# Altium PCB RTM_4SFP_3QSFP.PcbDoc (part 2 of 4) (continued)
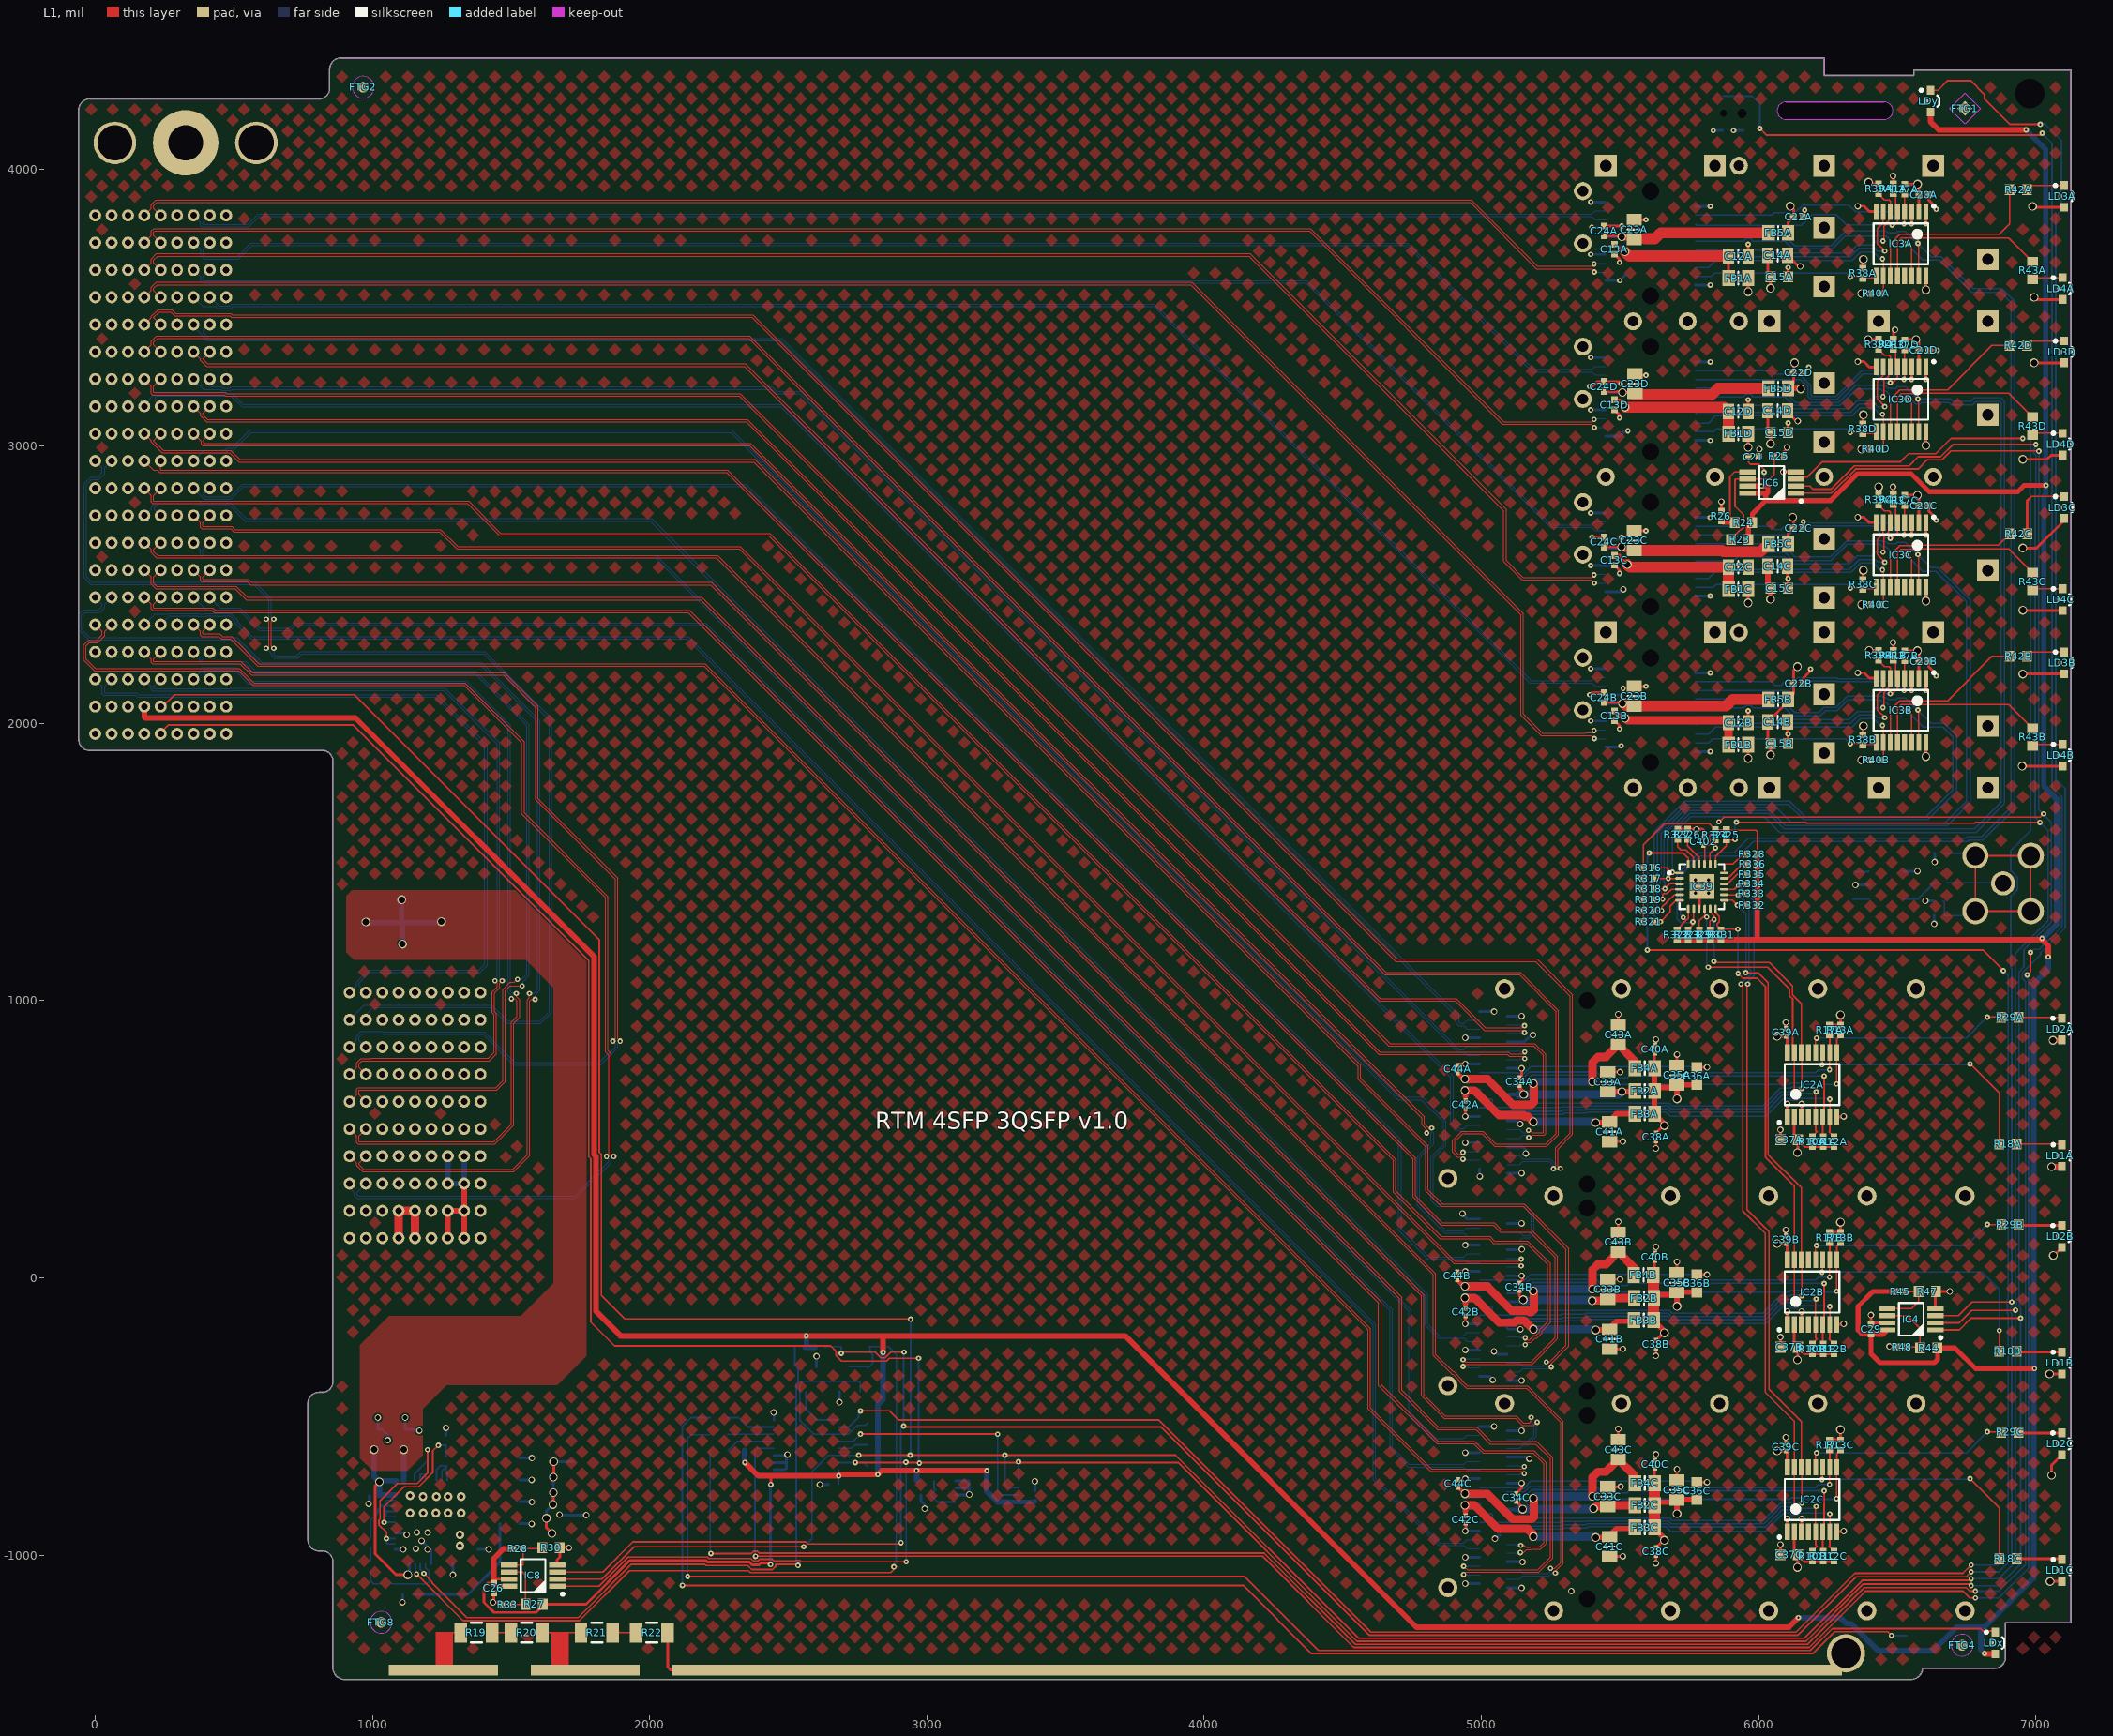
[diagram p0: L1 view]
## Nets (pads, with @x,y where several pads share a name; then routed paths per layer and width w, separated by ;. In a path a pad name is that pad's centre, name@x,y a point inside that pad or via, vN(x,y) a via of type N, cw(c..) or ccw(c..) an arc to the next point about the centre after c; other vN are vias at no path point) (continued)
  L4 w10: v2(985.86,-814.35) 989.8,-810.42 C8.1@989.8,-784.58 ; v2(1019.33,-504.04) C6.1@1019.33,-546.39 1033.11,-546.39 1054.76,-568.04 ; v2(1054.76,-585.76) 1054.76,-568.04 ; 1060.33,-573.61 1054.76,-568.04 ; IC1.42@1081.32,-979.46 v2(1110.89,-979.46) ; IC1.45@1081.32,-920.41 1117.59,-920.41 v2(1123.66,-926.56) v2(1123.66,-926.56) ; v2(1108.1,-1169.67) 1109.88,-1167.88 R3.1@1109.88,-1141.66 ; v2(1117.84,-504.04) C7.1@1117.84,-546.39 1164.92,-546.39 v2(1169.02,-550.49) ; IC1.53@1177.28,-947.96 1211.24,-981.92 IC1.35@1211.24,-1030.64 ; C11.1@1265.59,-568.04 v2(1265.59,-540.73) ; v2(1289.99,-1071.05) IC1.31@1289.98,-1030.64 ; IC1.26@1380.54,-979.46 v2(1418.94,-979.46) ; C1.1@1531.14,-885.96 1572.73,-885.96 v2(1573.96,-887.19) ; C4.1@1531.14,-807.22 1573.96,-807.22 v2(1575.19,-808.45) ; C3.1@1531.14,-728.48 v2(1574.2,-728.48) ; C2.1@1531.14,-649.74 v2(1575.19,-649.74) ; v2(1674.84,-854.09) 1676.2,-855.45 C5.2@1726.02,-855.45 v2(1771.3,-855.45) ; v2(2447,-485) 2448.28,-486.28 IC14.8@2448.28,-512.35 ; IC14.1@2448.28,-691.49 2487.6,-691.49 2493.69,-685.4 2493.69,-663.31 ; IC14.2@2448.28,-665.9 2491.1,-665.9 2493.69,-663.31 ; IC14.3@2448.28,-640.31 2493.69,-640.31 2493.69,-663.31 ; T2.2@2601.82,-320.42 2601.82,-293.01 v2(2601.82,-282.94) ; v2(2614,-745) 2643.78,-745 C27.2@2645.13,-743.65 ; v2(2684.5,-448.46) 2684.5,-438.39 T1.2@2684.5,-410.98 ; R75.1@2978.18,-782.63 2978.18,-804.73 2992.19,-818.74 v2(2992.19,-832.36) ; IC10.2@3103.05,-782.63 3151.62,-782.63 3151.62,-762.62 ; IC10.3@3103.05,-757.04 3146.04,-757.04 3151.62,-762.62 ; IC10.4@3103.05,-731.45 3149.45,-731.45 3151.62,-733.62 3151.62,-762.62 ; v2(3389,-734) 3390,-735 C25.2@3390,-769.28 ; v2(4931.9,231.85) 4931.9,229.25 4948.55,212.6 J5B.38@4993.9,212.6 ; v2(4941.66,-1102.36) 4951.73,-1102.36 J5C.20@4993.9,-1102.36 ; v2(4941.66,-1007.87) J5C.23@4993.9,-1007.87 ; v2(4941.66,-913.39) 4951.73,-913.39 J5C.26@4993.9,-913.39 ; v2(4941.66,-724.41) 4951.73,-724.41 J5C.32@4993.9,-724.41 ; v2(4941.66,-629.92) J5C.35@4993.9,-629.92 ; v2(4941.66,-259.84) J5B.23@4993.9,-259.84 ; v2(4941.66,-165.35) 4951.73,-165.35 J5B.26@4993.9,-165.35 ; v2(4941.66,23.62) 4951.73,23.62 J5B.32@4993.9,23.62 ; v2(4941.66,118.11) J5B.35@4993.9,118.11 ; v2(4941.66,488.19) J5A.23@4993.9,488.19 ; v2(4941.66,582.68) 4951.73,582.68 J5A.26@4993.9,582.68 ; v2(4941.66,771.65) 4951.73,771.65 J5A.32@4993.9,771.65 ; v2(4941.66,866.14) J5A.35@4993.9,866.14 ; J5C.38@4993.9,-535.43 v2(5046.15,-535.43) ; J5B.20@4993.9,-354.33 5027.66,-354.33 v2(5041.12,-367.79) ; J5A.20@4993.9,393.7 4993.9,366.41 v2(4994.17,366.14) ; J5A.38@4993.9,960.63 v2(5046.15,960.63) ; v2(5045.7,-264.76) 5047.47,-263 5060.06,-275.59 J5B.16@5092.72,-275.59 ; v2(5049.24,-940.64) 5060.74,-929.13 J5C.13@5067.54,-929.13 ; J5C.19@5092.72,-1118.11 v2(5144.97,-1118.11) ; J5C.16@5092.72,-1023.62 5146.66,-1023.62 v2(5148.03,-1025) ; J5C.7@5092.72,-740.16 v2(5144.97,-740.16) ; J5C.4@5092.72,-645.67 5166.92,-645.67 v2(5173.12,-651.87) ; J5C.1@5092.72,-551.18 v2(5144.97,-551.18) ; J5B.19@5092.72,-370.08 v2(5144.97,-370.08) ; J5B.13@5092.72,-181.1 5096.62,-185 v2(5141,-185) ; J5B.7@5092.72,7.87 v2(5144.97,7.87) ; J5B.4@5092.72,102.36 5145.46,102.36 v2(5146.25,103.15) ; J5B.1@5092.72,196.85 v2(5144.97,196.85) ; J5A.19@5092.72,377.95 v2(5144.97,377.95) ; J5A.16@5092.72,472.44 5149.52,472.44 5159.95,462.01 v2(5159.95,449) ; J5A.13@5092.72,566.93 5128.07,566.93 v2(5140,555) ; J5A.7@5092.72,755.91 v2(5144.97,755.91) ; J5A.4@5092.72,850.39 5153.39,850.39 5179,876 v2(5186,876) ; J5A.1@5092.72,944.88 v2(5144.97,944.88) ; v1(5390.91,2103.58) 5391.14,2103.35 CON1B.17@5448.83,2103.35 5500.94,2103.35 5511.81,2114.22 v1(5511.81,2125.99) ; v1(5394.61,2008.86) CON1B.14@5448.83,2008.86 ; v1(5394.61,2197.83) CON1B.20@5448.83,2197.83 ; v1(5394.61,2569.88) CON1C.14@5448.83,2569.88 5481.3,2569.88 5498.43,2552.75 v1(5498.43,2541.19) ; v1(5394.61,2758.86) CON1C.20@5448.83,2758.86 ; v1(5394.61,3130.91) CON1D.14@5448.83,3130.91 ; v1(5394.61,3319.88) CON1D.20@5448.83,3319.88 ; v1(5394.61,3691.93) CON1A.14@5448.83,3691.93 ; v1(5394.61,3880.91) CON1A.20@5448.83,3880.91 ; v1(5398.63,3790) 5445.24,3790 CON1A.17@5448.83,3786.42 5456.7,3794.29 v1(5506.59,3794.29) ; CON1B.11@5448.83,1914.37 5499.49,1914.37 v1(5504.53,1919.41) v1@5509.56,1924.44 ; CON1C.11@5448.83,2475.39 5503.08,2475.39 v2(5511.81,2484.12) ; CON1C.17@5448.83,2664.37 5499.02,2664.37 v1(5505.54,2670.89) ; CON1D.11@5448.83,3036.42 5499.49,3036.42 5518.63,3055.56 v1(5528.63,3055.56) ; CON1D.17@5448.83,3225.39 v1(5503.04,3225.39) ; CON1A.11@5448.83,3597.44 v1(5499.49,3597.44) 5518.63,3616.58 ; CON1B.10@5771.66,1898.62 v1(5825.87,1898.62) ; CON1B.1@5771.66,2182.09 v1(5825.87,2182.09) ; CON1C.10@5771.66,2459.64 v1(5825.87,2459.64) ; CON1C.1@5771.66,2743.11 v1(5825.87,2743.11) ; CON1D.10@5771.66,3020.67 v1(5825.87,3020.67) ; CON1D.1@5771.66,3304.13 v1(5825.87,3304.13) ; CON1A.10@5771.66,3581.69 v1(5825.87,3581.69) ; CON1A.1@5771.66,3865.16 v1(5825.87,3865.16) ; v1(5836.73,4138.78) PB1.4@5870.28,4138.78 ; v1(5909.57,4138.78) PB1.3@5943.11,4138.78 ; v2(6349.13,1417.32) TR1.2@6398.43,1417.32 ; TR1.6@6523.62,1467.32 v2(6572.91,1467.32) ; v2(6601.08,1360.06) C18.1@6630.32,1360.06 ; v2(6633.17,1277) R2.1@6633.17,1307.09 ; C19.1@6633.96,1532.19 6635.24,1530.91 v2(6635.24,1500) 6641.76,1500 v2@6644.19,1497.57
  other v2: 5324.19,-1129.53 3153,-781.25 2497,-637 5775.98,1618.11
  other v4: 1315.57,-965.93 1315.57,-926.47
  other v5: 1198.73,-979.46 1156.18,-976.96 1177.28,-948.05 1198.73,-919 1159.61,-917.5
  other v6: 5772.05,1387.99 5819.29,1387.99 5772.05,1435.24 5819.29,1435.24
GTP0RX_N: CON1A.12 J4.D10 | length 5395.9
  L1 w3.8: J4.D10@236.22,3832.68 211.09,3857.8 211.09,3867.77 222.73,3879.41 4960.16,3879.41 5199.28,3640.29 5395.98,3640.29 ; 5398.77,3638.19 5396.68,3640.29 5395.98,3640.29 ; v1(5407.82,3628.44) 5395.98,3640.29
  L4 w3.8: v1(5407.82,3628.44) 5448.33,3628.44 CON1A.12@5448.83,3628.94
GTP0RX_P: CON1A.13 J4.C10 | length 5406.4
  L1 w3.8: J4.C10@177.17,3832.68 202.29,3857.8 202.29,3871.42 219.09,3888.21 4963.8,3888.21 5202.93,3649.09 5398.18,3649.09 v1(5406.9,3657.81)
  L4 w3.8: v1(5406.9,3657.81) 5409.52,3660.43 CON1A.13@5448.83,3660.43
GTP0TX_N: CON1A.19 J4.F10 | length 5124.1
  L4 w3.8: J4.F10@413.39,3832.68 388.26,3807.55 388.26,3800 550.35,3800 588.41,3838.06 5398.18,3838.06 5409.52,3849.41 CON1A.19@5448.83,3849.41
GTP0TX_P: CON1A.18 J4.E10 | length 5139.4
  L4 w3.8: J4.E10@354.33,3832.68 379.46,3807.55 379.46,3795.22 383.48,3791.2 554,3791.2 592.06,3829.26 5398.18,3829.26 5409.52,3817.91 CON1A.18@5448.83,3817.91
GTP1RX_N: CON1D.12 J4.D9 | length 5585.8
  L1 w3.8: J4.D9@236.22,3734.25 211.09,3759.38 211.09,3772.64 215.03,3776.57 4379.4,3776.57 5075.89,3080.08 5375.84,3080.08 5376.67,3079.26 5395.98,3079.26 ; 5398.77,3077.16 5396.68,3079.26 5395.98,3079.26 ; v1(5407.82,3067.42) 5395.98,3079.26
  L4 w3.8: v1(5407.82,3067.42) 5448.33,3067.42 CON1D.12@5448.83,3067.91
GTP1RX_P: CON1D.13 J4.C9 | length 5595.9
  L1 w3.8: J4.C9@177.17,3734.25 202.29,3759.38 202.29,3776.28 211.39,3785.37 4383.04,3785.37 5079.53,3088.88 5398.14,3088.88 ; 5398.18,3088.06 v1(5406.9,3096.78)
  L4 w3.8: v1(5406.9,3096.78) 5409.52,3099.41 CON1D.13@5448.83,3099.41
GTP1TX_N: CON1D.19 J4.F9 | length 5328.5
  L4 w3.8: J4.F9@413.39,3734.25 389.54,3710.4 389.54,3691 396.54,3684 513,3684 561.23,3732.23 4734.18,3732.23 5189.37,3277.04 5398.18,3277.04 5409.52,3288.39 CON1D.19@5448.83,3288.39
GTP1TX_P: CON1D.18 J4.E9 | length 5376.9
  L4 w3.8: 377.64,3711.57 354.95,3734.25 J4.E9@354.33,3734.25 380.74,3707.85 380.74,3687.36 392.89,3675.2 516.65,3675.2 564.87,3723.43 4730.54,3723.43 5185.72,3268.24 5398.18,3268.24 5409.52,3256.89 CON1D.18@5448.83,3256.89
GTP2RX_N: CON1C.12 J4.D8 | length 5890.3
  L1 w3.8: J4.D8@236.22,3635.83 211.09,3660.95 211.09,3672.09 225.02,3686.02 4162.4,3686.02 5081.1,2767.32 5081.1,2583.62 5146.48,2518.24 5395.98,2518.24 ; 5398.77,2516.14 5396.67,2518.24 5395.98,2518.24 ; v1(5407.82,2506.4) 5395.98,2518.24
  L4 w3.8: v1(5407.82,2506.4) 5448.33,2506.4 CON1C.12@5448.83,2506.89
GTP2RX_P: CON1C.13 J4.C8 | length 5900.8
  L1 w3.8: J4.C8@177.17,3635.83 202.29,3660.95 202.29,3675.74 221.38,3694.82 4166.05,3694.82 5089.9,2770.97 5089.9,2587.26 5150.13,2527.04 5398.18,2527.04 v1(5406.9,2535.76)
  L4 w3.8: v1(5406.9,2535.76) 5409.52,2538.39 CON1C.13@5448.83,2538.39
GTP2TX_N: CON1C.19 J4.F8 | length 5476.3
  L4 w3.8: J4.F8@413.39,3635.83 388.26,3610.7 388.26,3602.36 393.18,3597.44 4371.45,3597.44 5252.87,2716.01 5398.18,2716.01 5409.52,2727.36 CON1C.19@5448.83,2727.36
GTP2TX_P: CON1C.18 J4.E8 | length 5490.9
  L4 w3.8: J4.E8@354.33,3635.83 379.46,3610.7 379.46,3598.72 389.54,3588.64 4367.8,3588.64 5249.23,2707.21 5398.18,2707.21 5409.52,2695.87 CON1C.18@5448.83,2695.87
GTP3RX_N: CON1B.12 J4.D7 | length 6180.6
  L1 w3.8: J4.D7@236.22,3537.4 211.09,3562.53 211.09,3569.8 223.97,3582.68 3952.43,3582.68 5143.31,2391.8 5143.31,2029.88 5216.43,1956.75 5396.44,1956.75 ; 5398.77,1955.12 5396.68,1957.21 5395.98,1957.21 5396.44,1956.75 ; v1(5407.82,1945.37) 5396.44,1956.75
  L4 w3.8: v1(5407.82,1945.37) 5448.33,1945.37 CON1B.12@5448.83,1945.87
GTP3RX_P: CON1B.13 J4.C7 | length 6192
  L1 w3.8: J4.C7@177.17,3537.4 202.29,3562.53 202.29,3573.45 220.32,3591.48 3956.08,3591.48 5152.11,2395.45 5152.11,2033.52 5220.08,1965.55 5376.2,1965.55 5377.45,1966.8 5398.96,1966.8 ; 5398.18,1966.01 5398.96,1966.8 ; v1(5406.9,1974.73) 5398.96,1966.8
  L4 w3.8: v1(5406.9,1974.73) 5409.52,1977.36 CON1B.13@5448.83,1977.36
GTP3TX_N: CON1B.19 J4.F7 | length 5618.4
  L4 w3.8: J4.F7@413.39,3537.4 444.81,3505.97 485.46,3505.97 492.22,3512.74 3821.74,3512.74 5168.14,2166.34 5179.49,2154.99 5398.18,2154.99 5409.52,2166.34 CON1B.19@5448.83,2166.34
GTP3TX_P: CON1B.18 J4.E7 | length 5681.1
  L4 w3.8: J4.E7@354.33,3537.4 387.8,3503.94 434.41,3503.94 441.17,3497.17 489.1,3497.17 495.87,3503.94 3818.09,3503.94 5175.84,2146.19 5398.18,2146.19 5409.52,2134.84 CON1B.18@5448.83,2134.84
GTP4RX_N: J4.D6 J5A.18 | length 7013.5
  L1 w3.8: J4.D6@236.22,3438.98 211.09,3464.1 211.09,3464.57 230.53,3484 273.4,3484 287,3470.4 485.46,3470.4 491.3,3464.57 2368.95,3464.57 4691.78,1141.73 5196.11,1141.73 5321,1016.84 5321,522 5267.94,468.94 5267.94,401.94 v1(5260,394)
  L4 w3.8: J5A.18@5092.72,409.45 5137.93,409.45 5149.28,420.8 5244.2,420.8 5260,405 v1(5260,394)
GTP4RX_P: J4.C6 J5A.17 | length 7063.1
  L1 w3.8: J4.C6@177.17,3438.98 202.29,3464.1 202.29,3468.21 226.88,3492.8 277.05,3492.8 290.65,3479.2 489.1,3479.2 494.94,3473.37 2372.59,3473.37 4695.43,1150.53 5199.75,1150.53 5329.8,1020.48 5329.8,518.35 5276.74,465.3 5276.74,402.94 v1(5284.69,395)
  L4 w3.8: J5A.17@5092.72,440.94 5137.93,440.94 5149.28,429.6 5247.85,429.6 5266.22,411.22 5266.45,411.22 5282.68,395 v1(5284.69,395)
GTP4TX_N: J4.F6 J5A.37 | length 5694.7
  L4 w3.8: J4.F6@413.39,3438.98 389.54,3415.12 389.54,3409.45 409.22,3389.76 2476.24,3389.76 4918.8,947.2 4918.8,922.99 4924,917.79 4937.35,917.79 4948.7,929.13 J5A.37@4993.9,929.13
GTP4TX_P: J4.E6 J5A.36 | length 5710.4
  L4 w3.8: J4.E6@354.33,3438.98 354.33,3432.21 405.58,3380.96 2472.59,3380.96 4910,943.55 4910,919.34 4920.36,908.99 4937.35,908.99 4948.7,897.64 J5A.36@4993.9,897.64
GTP5RX_N: J4.D5 J5A.21 | length 7130.4
  L1 w3.8: J4.D5@236.22,3340.55 211.09,3365.68 211.09,3375 225.09,3389 2357,3389 4652.8,1093.2 5137.35,1093.2 5270,960.56 5270,519.94 5233.06,483 5052,483 5006.52,528.49 4929.04,528.49 4895.27,494.72 4895.27,453.63 4912.36,436.55 4925.76,436.55 v1(4933.7,428.6)
  L4 w3.8: v1(4933.7,428.6) 4945.29,428.6 4948.7,425.2 J5A.21@4993.9,425.2
GTP5RX_P: J4.C5 J5A.22 | length 7145
  L1 w3.8: J4.C5@177.17,3340.55 202.29,3365.68 202.29,3378.65 221.45,3397.8 2360.65,3397.8 4656.45,1102 5141,1102 5278.8,964.2 5278.8,516.29 5236.71,474.2 5048.36,474.2 5002.87,519.69 4932.69,519.69 4904.07,491.07 4904.07,457.27 4916,445.35 4925.76,445.35 v1(4933.7,453.29)
  L4 w3.8: v1(4933.7,453.29) 4945.29,453.29 4948.7,456.69 J5A.22@4993.9,456.69
GTP5TX_N: J4.F5 J5A.2 | length 5870.4
  L1 w3.8: J4.F5@413.39,3340.55 388.26,3315.42 388.26,3314 405.07,3297.19 2345.83,3297.19 4635.01,1008 4909,1008 5014.96,902.04 5147.38,902.04 v1(5155.32,909.98)
  L4 w3.8: J5A.2@5092.72,913.39 5137.93,913.39 5141.33,909.98 v1(5155.32,909.98)
GTP5TX_P: J4.E5 J5A.3 | length 5885
  L1 w3.8: J4.E5@354.33,3340.55 379.46,3315.42 379.46,3310.36 401.43,3288.39 2342.18,3288.39 4628.79,1001.78 4631.37,999.2 4905.36,999.2 5011.32,893.24 5147.38,893.24 v1(5155.32,885.3)
  L4 w3.8: J5A.3@5092.72,881.89 5137.93,881.89 5141.33,885.3 v1(5155.32,885.3)
GTP6RX_N: J4.D4 J5A.15 | length 6510.6
  L1 w3.8: J4.D4@236.22,3242.13 211.09,3217 211.09,3193.9 468.77,3193.9 472.44,3190.22 2326.11,3190.22 4670.34,846 5192.54,846 5232.45,806.09 5232.45,520.44 5227.29,515.29 5182.88,515.29 5174.59,507 v1(5171,507)
  L4 w3.8: J5A.15@5092.72,503.94 5137.93,503.94 5149.28,515.29 5166.99,515.29 5171,511.28 v1(5171,507)
GTP6RX_P: J4.C4 J5A.14 | length 6496.3
  L1 w3.8: J4.C4@177.17,3242.13 202.29,3217 202.29,3190.25 207.45,3185.1 465.12,3185.1 468.8,3181.42 2322.47,3181.42 4666.69,837.2 5188.89,837.2 5223.65,802.44 5223.65,524.09 5182.88,524.09 5174.94,532.03 v1(5169.7,532.03)
  L4 w3.8: J5A.14@5092.72,535.43 5137.93,535.43 5149.28,524.09 5166.99,524.09 5169.7,526.79 v1(5169.7,532.03)
GTP6TX_N: J4.F4 J5A.34 | length 5604.6
  L4 w3.8: J4.F4@413.39,3242.13 413.39,3217.42 416.5,3214.31 455.81,3214.31 459.42,3210.7 485.46,3210.7 489.07,3214.31 2440.77,3214.31 2457.24,3197.83 2544.92,3197.83 4919.46,823.3 4937.35,823.3 4948.7,834.65 J5A.34@4993.9,834.65
GTP6TX_P: J4.E4 J5A.33 | length 5652.8
  L4 w3.8: J4.E4@354.33,3242.13 390.94,3205.51 452.16,3205.51 455.78,3201.9 489.1,3201.9 492.72,3205.51 2437.12,3205.51 2453.6,3189.03 2541.28,3189.03 4915.82,814.5 4937.35,814.5 4948.7,803.15 J5A.33@4993.9,803.15
GTP7RX_N: J4.D3 J5A.24 | length 6020.4
  L4 w3.8: J4.D3@236.22,3143.7 216.64,3163.29 216.64,3178.15 219.91,3181.42 490.3,3181.42 529.39,3142.33 2471.35,3142.33 4791.77,821.91 4890,723.68 4890,558.56 4917.52,531.03 4937.35,531.03 4948.7,519.69 J5A.24@4993.9,519.69
GTP7RX_P: J4.C3 J5A.25 | length 6039.6
  L4 w3.8: J4.C3@177.17,3143.7 177.17,3151.13 216.26,3190.22 493.94,3190.22 533.04,3151.13 2475,3151.13 4795.41,830.71 4898.8,727.32 4898.8,562.2 4921.17,539.83 4937.35,539.83 4948.7,551.18 J5A.25@4993.9,551.18
GTP7TX_N: J4.F3 J5A.5 | length 5832.2
  L1 w3.8: J4.F3@413.39,3143.7 388.26,3118.57 388.26,3114 405.46,3096.8 2352.22,3096.8 4634.52,814.5 5098.05,814.5 5105,807.55 5148.58,807.55 v1(5156.52,815.49)
  L4 w3.8: J5A.5@5092.72,818.9 5137.93,818.9 5141.33,815.49 v1(5156.52,815.49)
GTP7TX_P: J4.E3 J5A.6 | length 5846.8
  L1 w3.8: J4.E3@354.33,3143.7 379.46,3118.57 379.46,3110.36 401.81,3088 2348.57,3088 4630.87,805.7 5094.41,805.7 5101.36,798.75 5148.58,798.75 v1(5156.52,790.81)
  L4 w3.8: J5A.6@5092.72,787.4 5137.93,787.4 5141.33,790.81 v1(5156.52,790.81)
GTP8RX_N: J4.D2 J5B.18 | length 7086.7
  L1 w3.8: J4.D2@236.22,3045.27 211.09,3020.15 211.09,3019.39 245.28,2985.2 488.33,2985.2 521.53,2952 2379.62,2952 4565,766.62 4565,720.13 4808.8,476.33 4808.8,317.8 4859.8,266.8 5154.8,266.8 5314.8,106.8 5314.8,-246.65 5251.84,-309.61 v1(5251.84,-320.84)
  L4 w3.8: J5B.18@5092.72,-338.58 5137.93,-338.58 5149.28,-327.23 5245.44,-327.23 v1(5251.84,-320.84)
GTP8RX_P: J4.C2 J5B.17 | length 7065.6
  L1 w3.8: J4.C2@177.17,3045.28 202.29,3020.15 202.29,3015.75 241.64,2976.4 484.68,2976.4 517.89,2943.2 2375.97,2943.2 4556.2,762.97 4556.2,716.49 4800,472.69 4800,314.16 4856.16,258 5151.15,258 5306,103.15 5306,-243 5245.62,-303.38 v1(5234.38,-303.38)
  L4 w3.8: J5B.17@5092.72,-307.09 5137.93,-307.09 5149.28,-318.43 5219.33,-318.43 v1(5234.38,-303.38)
GTP8TX_N: J4.F2 J5B.37 | length 6070.2
  L1 w3.8: J4.F2@413.39,3045.27 391.16,3023.04 391.16,3011.2 391.36,3011 2364.06,3011 4794.37,580.69 4794.37,555.63 4809.38,540.62 v1(4820.62,540.62)
  L4 w3.8: v1(4820.62,540.62) 4820.62,529.38 4827.75,522.25 4827.75,483.75 4778,434 4778,264.75 4873,169.75 4937.35,169.75 4948.7,181.1 J5B.37@4993.9,181.1
GTP8TX_P: J4.E2 J5B.36 | length 6087.1
  L1 w3.8: J4.E2@354.33,3045.27 382.36,3017.25 382.36,3007.56 387.71,3002.2 2360.41,3002.2 4785.57,577.05 4785.57,551.99 4803.16,534.39 v1(4803.16,523.16)
  L4 w3.8: v1(4803.16,523.16) 4814.39,523.16 4818.95,518.6 4818.95,487.4 4769.2,437.65 4769.2,261.11 4869.36,160.95 4937.35,160.95 4948.7,149.61 J5B.36@4993.9,149.61
GTP9RX_N: J4.D1 J5B.21 | length 7069
  L1 w3.8: J4.D1@236.22,2946.85 236.22,2913.39 2281.62,2913.39 4660.5,534.5 4762.8,432.2 4762.8,295.2 4858.2,199.8 5046.2,199.8 5071.85,174.15 5179.44,174.15 5275.64,77.95 5275.64,-218.81 5182.96,-311.49 4941.94,-311.49 v1(4934,-319.43)
  L4 w3.8: v1(4934,-319.43) 4945.29,-319.43 4948.7,-322.83 J5B.21@4993.9,-322.83
GTP9RX_P: J4.C1 J5B.22 | length 7085.1
  L1 w3.8: J4.C1@177.17,2946.85 210.63,2913.39 227.42,2913.39 227.42,2909.74 232.58,2904.59 2277.97,2904.59 4754,428.55 4754,291.56 4854.56,191 5042.56,191 5068.2,165.35 5175.79,165.35 5266.84,74.31 5266.84,-215.16 5179.31,-302.69 4941.94,-302.69 v1(4934,-294.74)
  L4 w3.8: v1(4934,-294.74) 4945.29,-294.74 4948.7,-291.34 J5B.22@4993.9,-291.34
GTP9TX_N: J4.F1 J5B.2 | length 6388.2
  L4 w3.8: J4.F1@413.39,2946.85 413.39,2975.51 456.65,2975.51 459.42,2978.28 472.88,2978.28 479.18,2984.57 497.59,2984.57 563.01,3050 2292.08,3050 4699.29,642.8 4783.29,642.8 4864,562.09 4864,482 4818.2,436.2 4818.2,279.46 4839.66,258 5151.15,258 5180.95,228.2 5180.95,162.75 5172.21,154.01 5149.28,154.01 5137.93,165.35 J5B.2@5092.72,165.35
GTP9TX_P: J4.E1 J5B.3 | length 6460.3
  L4 w3.8: J4.E1@354.33,2946.85 391.79,2984.31 453.01,2984.31 455.78,2987.08 469.24,2987.08 475.53,2993.37 493.94,2993.37 505.35,3004.78 559.37,3058.8 2288.44,3058.8 2289.22,3059.59 2294.94,3059.59 4702.93,651.6 4786.94,651.6 4872.8,565.73 4872.8,478.36 4827,432.56 4827,283.11 4843.31,266.8 5154.8,266.8 5189.75,231.85 5189.75,159.11 5183.22,152.58 ; J5B.3@5092.72,133.86 5137.93,133.86 5149.28,145.21 5175.85,145.21 5180.65,150
GTP10RX_N: J2.D10 J5B.15 | length 6708.9
  L1 w3.8: J2.D10@236.22,2848.42 211.09,2823.3 211.09,2802.79 1346.46,2802.79 1462.92,2686.34 2433.05,2686.34 4689.8,429.59 4691,428.39 4691,313.32 4854.71,149.61 5030.96,149.61 5046.71,133.86 5167.41,133.86 5248.8,52.47 5248.8,-161.59 5219.45,-190.95 5219.45,-198.06 5201.02,-216.48 5193.91,-216.48 5177.65,-232.75 5165.89,-232.75 v1(5157.94,-240.69)
  L4 w3.8: J5B.15@5092.72,-244.09 5137.93,-244.09 5141.33,-240.69 v1(5157.94,-240.69)
GTP10RX_P: J2.C10 J5B.14 | length 6694.3
  L1 w3.8: J2.C10@177.17,2848.42 202.29,2823.3 202.29,2799.15 207.45,2793.99 1342.82,2793.99 1459.27,2677.54 2429.41,2677.54 4682.2,424.75 4682.2,309.67 4851.06,140.81 5027.31,140.81 5043.06,125.06 5163.77,125.06 5240,48.83 5240,-157.95 5210.65,-187.3 5210.65,-194.41 5197.38,-207.68 5190.27,-207.68 5174,-223.95 5165.89,-223.95 v1(5157.94,-216)
  L4 w3.8: J5B.14@5092.72,-212.6 5137.93,-212.6 5141.33,-216 v1(5157.94,-216)
GTP10TX_N: J2.F10 J5B.34 | length 6006.8
  L4 w3.8: J2.F10@413.39,2848.42 413.06,2848.42 392,2827.37 392,2823.89 398.89,2817 485.46,2817 532.26,2863.8 2346.44,2863.8 4711,499.24 4711,176 4811.73,75.27 4937.35,75.27 4948.7,86.61 J5B.34@4993.9,86.61
GTP10TX_P: J2.E10 J5B.33 | length 6024.7
  L4 w3.8: J2.E10@354.33,2848.42 388.29,2814.47 388.98,2814.47 395.25,2808.2 489.1,2808.2 535.91,2855 2342.79,2855 4702.2,495.59 4702.2,172.36 4808.09,66.47 4937.35,66.47 4948.7,55.12 J5B.33@4993.9,55.12
GTP11RX_N: J2.D9 J5B.24 | length 6138.6
  L4 w3.8: J2.D9@236.22,2750 214.02,2772.2 214.02,2780.37 227.64,2793.99 371.36,2793.99 378.15,2787.2 483.85,2787.2 540.74,2730.31 2002.45,2730.31 4794.38,-61.62 4797,-64.23 4797,-169.44 4844.55,-217 4937.35,-217 4948.7,-228.35 J5B.24@4993.9,-228.35
GTP11RX_P: J2.C9 J5B.25 | length 6156.9
  L4 w3.8: J2.C9@177.17,2750 179.37,2750 204,2774.63 204,2782.79 224,2802.79 375,2802.79 381.79,2796 487.5,2796 544.39,2739.11 2006.1,2739.11 4805.8,-60.59 4805.8,-165.8 4848.2,-208.2 4937.35,-208.2 4948.7,-196.85 J5B.25@4993.9,-196.85
GTP11TX_N: J2.F9 J5B.5 | length 5963.6
  L1 w3.8: J2.F9@413.39,2750 388.26,2724.87 388.26,2710.63 492.9,2710.63 503.87,2699.66 1246.52,2699.66 1308.39,2637.79 2326.28,2637.79 4904.07,60 5136.06,60 v1(5144,67.94)
  L4 w3.8: J2.F9@413.39,2750 J2.F9@416.5,2746.89 ; J5B.5@5092.72,70.87 5137.93,70.87 5140.85,67.94 v1(5144,67.94)
GTP11TX_P: J2.E9 J5B.6 | length 5974.2
  L1 w3.8: J2.E9@354.33,2750 379.46,2724.87 379.46,2706.98 384.61,2701.83 489.25,2701.83 500.22,2690.86 1242.88,2690.86 1304.74,2628.99 2322.63,2628.99 4900.43,51.2 5136.06,51.2 v1(5144,43.26)
  L4 w3.8: J5B.6@5092.72,39.37 5137.93,39.37 5141.82,43.26 v1(5144,43.26)
GTP12RX_N: J2.D8 J5C.18 | length 7339.6
  L1 w3.8: J2.D8@236.22,2651.57 234.67,2651.57 211.09,2628 211.09,2620.35 225.07,2606.38 2244.75,2606.38 4835.8,15.33 4835.8,-275.55 4898.07,-337.83 4900.52,-337.83 4930.49,-367.79 4930.49,-370.24 4950.01,-389.76 5136.78,-389.76 5153.13,-389.79 5166.61,-389.76 5294.8,-517.95 5294.8,-1030.39 5283.54,-1041.64 5266.84,-1058.35 v1(5266.84,-1064.84)
  L4 w3.8: J5C.18@5092.72,-1086.61 5137.93,-1086.61 5149.28,-1075.27 5245.18,-1075.27 5255.61,-1064.84 v1(5266.84,-1064.84)
GTP12RX_P: J2.C8 J5C.17 | length 7327.8
  L1 w3.8: J2.C8@177.17,2651.57 178.72,2651.57 202.29,2628 202.29,2616.71 221.42,2597.58 2241.11,2597.58 4803.69,35 4827,11.69 4827,-279.2 4894.43,-346.63 4896.88,-346.63 4921.69,-371.44 4921.69,-373.89 4946.37,-398.56 5133.13,-398.56 5156.78,-398.59 5162.96,-398.56 5286,-521.6 5286,-1026.74 5265.36,-1047.38 v1(5249.38,-1047.38)
  L4 w3.8: J5C.17@5092.72,-1055.12 5137.93,-1055.12 5149.28,-1066.47 5241.53,-1066.47 5249.38,-1058.62 v1(5249.38,-1047.38)
GTP12TX_N: J2.F8 J5C.37 | length 6201.8
  L4 w3.8: J2.F8@413.39,2651.57 388,2626.19 388,2608.9 390.52,2606.38 2023.92,2606.38 4747.22,-116.93 4747.22,-488.78 4836.72,-578.28 4937.35,-578.28 4948.7,-566.93 J5C.37@4993.9,-566.93
GTP12TX_P: J2.E8 J5C.36 | length 6216.2
  L4 w3.8: J2.E8@354.33,2651.57 379.2,2626.71 379.2,2605.26 384.61,2599.85 386.88,2597.58 2020.27,2597.58 4738.42,-120.58 4738.42,-492.42 4833.08,-587.08 4937.35,-587.08 4948.7,-598.43 J5C.36@4993.9,-598.43
GTP13RX_N: J2.D7 J5C.21 | length 7373.8
  L1 w3.8: J2.D7@236.22,2553.15 211.09,2528.02 211.09,2506.89 223.03,2494.95 508.26,2494.95 548.49,2454.72 2188.02,2454.72 4713.32,-70.58 4713.32,-405.52 4845.8,-538 4983.45,-538 5035.45,-590 5199.49,-590 5257.8,-648.31 5257.8,-1011.19 5207.19,-1061.8 4945.22,-1061.8 4937.06,-1069.96 v1(4936,-1069.96)
  L4 w3.8: v1(4936,-1069.96) 4947.79,-1069.96 4948.7,-1070.87 J5C.21@4993.9,-1070.87
GTP13RX_P: J2.C7 J5C.22 | length 7361.1
  L1 w3.8: J2.C7@177.17,2553.15 202.29,2528.02 202.29,2503.24 219.39,2486.15 504.62,2486.15 544.84,2445.92 2184.37,2445.92 4704.52,-74.22 4704.52,-409.16 4842.16,-546.8 4979.8,-546.8 5031.8,-598.8 5195.85,-598.8 5249,-651.95 5249,-1007.55 5203.55,-1053 4949.79,-1053 4937.06,-1040.28 v1(4936,-1040.28)
  L4 w3.8: v1(4936,-1040.28) 4947.79,-1040.28 4948.7,-1039.37 J5C.22@4993.9,-1039.37
GTP13TX_N: J2.F7 J5C.2 | length 6506.1
  L1 w3.8: J2.F7@413.39,2553.15 388.26,2528.02 388.26,2519.68 552.82,2519.68 563.65,2508.86 2223.91,2508.86 4793.46,-60.69 4793.46,-422.27 4869.23,-498.03 5126.09,-498.03 5151.68,-523.62 5173.38,-523.62 5179,-518 v1(5179,-503)
  L4 w3.8: J5C.2@5092.72,-582.68 5137.93,-582.68 5149.28,-594.03 5163,-594.03 5190,-567.02 5190,-532.88 5184.45,-527.32 5184.45,-523.45 5179,-518 v1(5179,-503)
GTP13TX_P: J2.E7 J5C.3 | length 6528.9
  L1 w3.8: J2.E7@354.33,2553.15 379.46,2528.02 379.46,2516.04 384.61,2510.88 549.17,2510.88 560,2500.06 2220.27,2500.06 4784.66,-64.34 4784.66,-425.91 4865.58,-506.83 5122.44,-506.83 5148.03,-532.42 5189.15,-532.42 v1(5201.19,-520.39)
  L4 w3.8: J5C.3@5092.72,-614.17 5137.93,-614.17 5149.28,-602.83 5166.64,-602.83 5198.8,-570.67 5198.8,-520.39 5198.8,-518 v1(5201.19,-520.39)
GTP14RX_N: J2.D6 J5C.15 | length 6970.2
  L1 w3.8: J2.D6@236.22,2454.72 211.09,2429.6 211.09,2417 424.27,2417 433.07,2408.2 2143.2,2408.2 4638,-86.6 4638,-383.81 4843.19,-589 4975.45,-589 5009.15,-622.7 5190.93,-622.7 5234.58,-666.35 5234.58,-957.42 5213.8,-978.2 5183.22,-978.2 5180.65,-980.78 5162.44,-980.78 5152.74,-990.48 v1(5140.83,-990.48)
  L4 w3.8: J5C.15@5092.72,-992.13 5137.93,-992.13 5139.57,-990.48 v1(5140.83,-990.48)
GTP14RX_P: J2.C6 J5C.14 | length 6955.6
  L1 w3.8: J2.C6@177.17,2454.72 202.29,2429.6 202.29,2413.36 207.45,2408.2 420.63,2408.2 429.43,2399.4 2139.56,2399.4 4629.2,-90.24 4629.2,-387.45 4839.55,-597.8 4971.8,-597.8 5005.5,-631.5 5187.29,-631.5 5225.78,-669.99 5225.78,-953.78 5210.15,-969.4 5179.58,-969.4 5177,-971.98 5162.44,-971.98 5155.26,-964.8 v1(5142.1,-964.8)
  L4 w3.8: J5C.14@5092.72,-960.63 5137.93,-960.63 v1(5142.1,-964.8)
GTP14TX_N: J2.F6 J5C.34 | length 6187.6
  L4 w3.8: J2.F6@413.39,2454.72 451.11,2417 521.93,2417 594.93,2344 701,2344 720,2363 2200.85,2363 4679.8,-115.95 4679.8,-613.11 4739.46,-672.77 4937.35,-672.77 4948.7,-661.42 J5C.34@4993.9,-661.42
GTP14TX_P: J2.E6 J5C.33 | length 6250.3
  L4 w3.8: J2.E6@354.33,2454.72 400.86,2408.2 518.29,2408.2 591.29,2335.2 704.65,2335.2 723.64,2354.2 2197.2,2354.2 4671,-119.6 4671,-616.75 4735.81,-681.57 4937.35,-681.57 4948.7,-692.91 J5C.33@4993.9,-692.91
GTP15RX_N: J2.D5 J5C.24 | length 6495.8
  L4 w3.8: J2.D5@236.22,2356.3 267.65,2387.73 367.35,2387.73 369.25,2385.83 398.47,2385.83 400.37,2387.73 485.46,2387.73 503.87,2369.32 503.87,2362.52 562.2,2304.19 2134.81,2304.19 4610.2,-171.2 4610.2,-727.89 4847.34,-965.03 4937.35,-965.03 4948.7,-976.38 J5C.24@4993.9,-976.38